# Altium PCB AVALON2_21b.PcbDoc (part 6 of 7)
Units mil, origin at the board's own origin, x right, y up, seen from the top; angles counter-clockwise.
Board outline 5250 x 3000 mil, 4 copper layers (Top Layer, Mid-Layer 1, Mid-Layer 2, Bottom Layer); 460 components, 80 nets, 2011 pads, 1492 vias.
Unrouted connection lines stored in the file: 78.
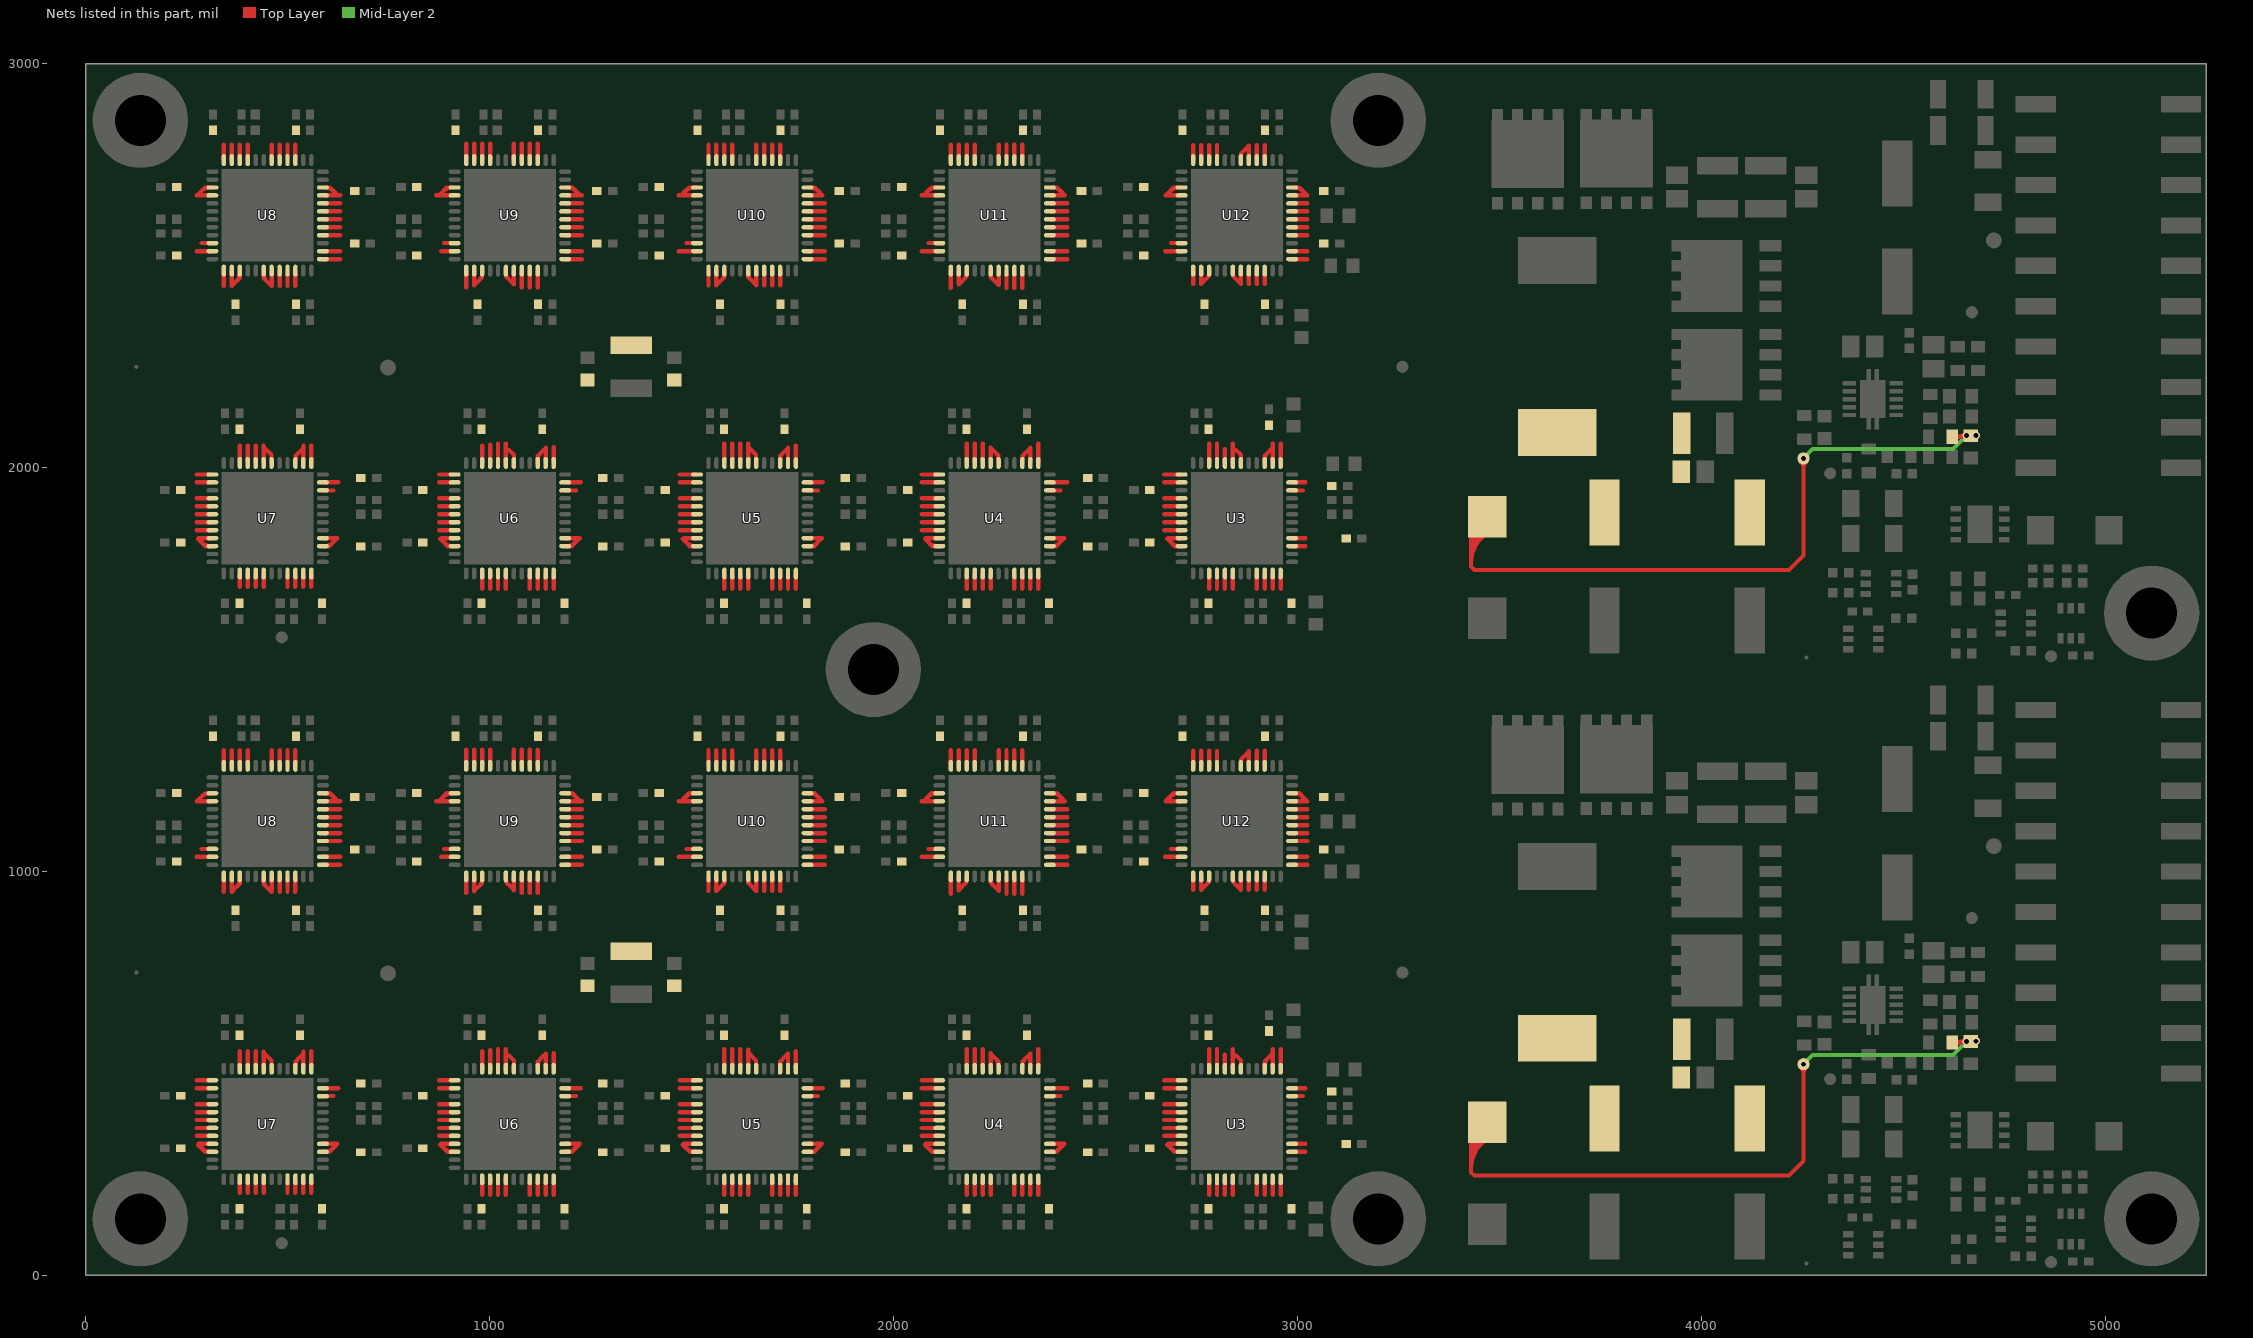
[diagram p8: the nets of this part, all layers, seen from the top]

## Via types
v1: diameter 32, hole 18, Top Layer to Bottom Layer, tented both sides, 846 vias
v2: diameter 20, hole 12, Top Layer to Bottom Layer, tented both sides, 458 vias
v3: diameter 20, hole 12, Top Layer to Bottom Layer, tented bottom, 154 vias
v4: diameter 50, hole 20, Top Layer to Bottom Layer, tented both sides, 16 vias
v5: diameter 23.62, hole 11.81, Top Layer to Bottom Layer, tented bottom, 10 vias
v6: diameter 25.98, hole 12.99, Top Layer to Bottom Layer, tented top, 4 vias
v7: diameter 20, hole 12, Top Layer to Bottom Layer, 4 vias

## Nets (pads, with @x,y where several pads share a name; then routed paths per layer and width w, separated by ;. In a path a pad name is that pad's centre, name@x,y a point inside that pad or via, vN(x,y) a via of type N, cw(c..) or ccw(c..) an arc to the next point about the centre after c; other vN are vias at no path point) (continued)
VCC1V2: 1P2V.1 C2.2 C3.2 C11.1 C12.1 C13.1 C14.2 C15.2 C19.2 C26.1 C27.2 C28.1 C29.2 C30.1 C31.2 C32.1 C33.2 C38.1 C39.2 C40.1 C41.2 C42.1 C43.2 C44.1 C45.2 C50.2 C51.2 C52.2 C53.2 C54.1 C55.1 C56.1 C57.1 C58.2 C59.2 C61.2 C62.2 C64.2 C65.2 C67.2 C68.2 C74.1 C75.2 C76.1 C77.2 C78.1 C79.2 C80.1 C81.2 C86.1 C87.2 C88.1 C89.2 C90.1 C91.2 C92.1 C93.2 C98.2 C99.2 C100.2 C101.2 C102.1 C103.1 C104.1 C105.1 C106.2 C107.2 C109.2 C110.2 C112.2 C113.2 C115.2 C116.2 C120.1 C121.2 C122.1 C123.2 C128.1 C129.2 C130.1 C131.2 C135.2 C136.2 C138.1 C139.1 C140.2 C141.2 C143.2 C144.2 C153.2 L1.2 R9.1 U3.3 U3.4 U3.10 U3.11 U3.13 U3.14 U3.15 U3.18 U3.19 U3.20 U3.21 U3.22 U3.25 U3.26 U3.28 U3.29 U3.30 U3.31 U3.32 U3.33 U3.34 U3.39 U3.40 U3.41 U3.42 U3.45 U3.46 U3.47 U3.48 U4.3 U4.4 U4.10 U4.11 U4.13 U4.14 U4.15 U4.18 U4.19 U4.20 U4.21 U4.22 U4.25 U4.26 U4.28 U4.29 U4.30 U4.31 U4.32 U4.33 U4.34 U4.39 U4.40 U4.41 U4.42 U4.45 U4.46 U4.47 U4.48 U5.3 U5.4 U5.10 U5.11 U5.13 U5.14 U5.15 U5.18 U5.19 U5.20 U5.21 U5.22 U5.25 U5.26 U5.28 U5.29 U5.30 U5.31 U5.32 U5.33 U5.34 U5.39 U5.40 U5.41 U5.42 U5.45 U5.46 U5.47 U5.48 U6.3 U6.4 U6.10 U6.11 U6.13 U6.14 U6.15 U6.18 U6.19 U6.20 U6.21 U6.22 U6.25 U6.26 U6.28 U6.29 U6.30 U6.31 U6.32 U6.33 U6.34 U6.39 U6.40 U6.41 U6.42 U6.45 U6.46 U6.47 U6.48 U7.3 U7.4 U7.10 U7.11 U7.13 U7.14 U7.15 U7.18 U7.19 U7.20 U7.21 U7.22 U7.25 U7.26 U7.28 U7.29 U7.30 U7.31 U7.32 U7.33 U7.34 U7.39 U7.40 U7.41 U7.42 U7.45 U7.46 U7.47 U7.48 U8.3 U8.4 U8.10 U8.11 U8.13 U8.14 U8.15 U8.18 U8.19 U8.20 U8.21 U8.22 U8.25 U8.26 U8.28 U8.29 U8.30 U8.31 U8.32 U8.33 U8.34 U8.39 U8.40 U8.41 U8.42 U8.45 U8.46 U8.47 U8.48 U9.3 U9.4 U9.10 U9.11 U9.13 U9.14 U9.15 U9.18 U9.19 U9.20 U9.21 U9.22 U9.25 U9.26 U9.28 U9.29 U9.30 U9.31 U9.32 U9.33 U9.34 U9.39 U9.40 U9.41 U9.42 U9.45 U9.46 U9.47 U9.48 U10.3 U10.4 U10.10 U10.11 U10.13 U10.14 U10.15 U10.18 U10.19 U10.20 U10.21 U10.22 U10.25 U10.26 U10.28 U10.29 U10.30 U10.31 U10.32 U10.33 U10.34 U10.39 U10.40 U10.41 U10.42 U10.45 U10.46 U10.47 U10.48 U11.3 U11.4 U11.10 U11.11 U11.13 U11.14 U11.15 U11.18 U11.19 U11.20 U11.21 U11.22 U11.25 U11.26 U11.28 U11.29 U11.30 U11.31 U11.32 U11.33 U11.34 U11.39 U11.40 U11.41 U11.42 U11.45 U11.46 U11.47 U11.48 U12.3 U12.4 U12.10 U12.11 U12.13 U12.14 U12.15 U12.18 U12.19 U12.20 U12.21 U12.22 U12.25 U12.26 U12.28 U12.29 U12.30 U12.31 U12.32 U12.33 U12.34 U12.39 U12.40 U12.41 U12.42 U12.45 U12.46 U12.47 U12.48 | length 27894.2
  Top Layer w10: 275,1174.21 294.69,1193.9 U8.3@313.19,1193.9 ; 275,2674.21 294.69,2693.9 U8.3@313.19,2693.9 ; 286.9,1056.1 U8.10@313.19,1056.1 ; 286.9,2556.1 U8.10@313.19,2556.1 ; 287.27,1186.48 cw(c303.94,1169.81) U8.3@303.94,1193.39 ; 287.27,2686.48 cw(c303.94,2669.81) U8.3@303.94,2693.39 ; 361.42,950 364.89,953.47 364.89,954.11 381.1,970.33 U8.15@381.1,988.19 ; 361.42,2450 364.89,2453.47 364.89,2454.11 381.1,2470.33 U8.15@381.1,2488.19 ; 374.14,963.36 ccw(c358.56,978.94) U8.15@380.59,978.94 ; 374.14,2463.36 ccw(c358.56,2478.94) U8.15@380.59,2478.94 ; 440.16,555 440.16,551.84 459.84,532.16 U7.18@459.84,511.81 ; U8.18@440.16,988.19 440.16,969.68 459.84,950 ; 440.16,2055 440.16,2051.84 459.84,2032.16 U7.18@459.84,2011.81 ; U8.18@440.16,2488.19 440.16,2469.68 459.84,2450 ; U8.18@440.67,978.94 ccw(c464.24,978.94) 447.57,962.27 ; U8.18@440.67,2478.94 ccw(c464.24,2478.94) 447.57,2462.27 ; U7.15@518.9,511.81 518.9,529.67 538.58,549.36 538.58,555 ; U7.15@518.9,2011.81 518.9,2029.67 538.58,2049.36 538.58,2055 ; U7.15@519.41,521.06 cw(c541.44,521.06) 525.86,536.64 ; U7.15@519.41,2021.06 cw(c541.44,2021.06) 525.86,2036.64 ; U7.10@586.81,443.9 613.1,443.9 ; U7.10@586.81,1943.9 613.1,1943.9 ; 886.9,1056.1 U9.10@913.19,1056.1 ; 886.9,2556.1 U9.10@913.19,2556.1 ; 961.42,951.42 981.1,971.1 U9.15@981.1,988.19 ; 961.42,2451.42 981.1,2471.1 U9.15@981.1,2488.19 ; 974.69,964.69 ccw(c960.44,978.94) U9.15@980.59,978.94 ; 974.69,2464.69 ccw(c960.44,2478.94) U9.15@980.59,2478.94 ; U9.18@1040.16,988.19 1040.16,973.68 1059.84,954 ; U9.18@1040.16,2488.19 1040.16,2473.68 1059.84,2454 ; U9.18@1040.67,978.94 ccw(c1054.58,978.94) 1044.74,969.1 ; U9.18@1040.67,2478.94 ccw(c1054.58,2478.94) 1044.74,2469.1 ; 1047.86,544.13 1059.84,532.16 U6.18@1059.84,511.81 ; 1047.86,2044.13 1059.84,2032.16 U6.18@1059.84,2011.81 ; U6.15@1118.9,511.81 1118.9,529.67 1133.36,544.13 ; U6.15@1118.9,2011.81 1118.9,2029.67 1133.36,2044.13 ; U6.15@1119.41,521.06 cw(c1141.44,521.06) 1125.86,536.64 ; U6.15@1119.41,2021.06 cw(c1141.44,2021.06) 1125.86,2036.64 ; U6.10@1186.81,443.9 1213.1,443.9 ; U6.10@1186.81,1943.9 1213.1,1943.9 ; 1486.9,1056.1 U10.10@1513.19,1056.1 ; 1486.9,2556.1 U10.10@1513.19,2556.1 ; 1561.42,952 1581.1,971.68 U10.15@1581.1,988.19 ; 1561.42,2452 1581.1,2471.68 U10.15@1581.1,2488.19 ; 1575.1,965.68 ccw(c1561.85,978.94) U10.15@1580.59,978.94 ; 1575.1,2465.68 ccw(c1561.85,2478.94) U10.15@1580.59,2478.94 ; 1640.16,560 1640.16,551.84 1659.84,532.16 U5.18@1659.84,511.81 ; U10.18@1640.16,988.19 1640.16,971.68 1659.84,952 ; 1640.16,2060 1640.16,2051.84 1659.84,2032.16 U5.18@1659.84,2011.81 ; U10.18@1640.16,2488.19 1640.16,2471.68 1659.84,2452 ; U10.18@1640.67,978.94 ccw(c1659.41,978.94) 1646.16,965.68 ; U10.18@1640.67,2478.94 ccw(c1659.41,2478.94) 1646.16,2465.68 ; U5.15@1718.9,511.81 1718.9,529.67 1738.58,549.36 1738.58,549.42 ; U5.15@1718.9,2011.81 1718.9,2029.67 1738.58,2049.36 1738.58,2049.42 ; U5.15@1719.41,521.06 cw(c1741.44,521.06) 1725.86,536.64 ; U5.15@1719.41,2021.06 cw(c1741.44,2021.06) 1725.86,2036.64 ; U5.10@1786.81,443.9 1813.1,443.9 ; U5.10@1786.81,1943.9 1813.1,1943.9 ; 2086.9,1056.1 U11.10@2113.19,1056.1 ; 2086.9,2556.1 U11.10@2113.19,2556.1 ; 2161.42,954 2181.1,973.68 U11.15@2181.1,988.19 ; 2161.42,2454 2181.1,2473.68 U11.15@2181.1,2488.19 ; 2176.51,969.1 ccw(c2166.68,978.94) U11.15@2180.59,978.94 ; 2176.51,2469.1 ccw(c2166.68,2478.94) U11.15@2180.59,2478.94 ; 2240.16,550 2259.84,530.32 U4.18@2259.84,511.81 ; U11.18@2240.16,988.19 2240.16,972.68 2259.84,953 ; 2240.16,2050 2259.84,2030.32 U4.18@2259.84,2011.81 ; U11.18@2240.16,2488.19 2240.16,2472.68 2259.84,2453 ; U11.18@2240.67,978.94 ccw(c2257,978.94) 2245.45,967.39 ; U11.18@2240.67,2478.94 ccw(c2257,2478.94) 2245.45,2467.39 ; 2252.43,537.73 cw(c2235.76,521.06) U4.18@2259.33,521.06 ; 2252.43,2037.73 cw(c2235.76,2021.06) U4.18@2259.33,2021.06 ; U4.15@2318.9,511.81 2318.9,529.67 2338.58,549.36 2338.58,549.42 ; U4.15@2318.9,2011.81 2318.9,2029.67 2338.58,2049.36 2338.58,2049.42 ; U4.15@2319.41,521.06 cw(c2341.44,521.06) 2325.86,536.64 ; U4.15@2319.41,2021.06 cw(c2341.44,2021.06) 2325.86,2036.64 ; U4.10@2386.81,443.9 2413.1,443.9 ; U4.10@2386.81,1943.9 2413.1,1943.9 ; 2686.9,1056.1 U12.10@2713.19,1056.1 ; 2686.9,2556.1 U12.10@2713.19,2556.1 ; 2761.42,955 2781.1,974.68 U12.15@2781.1,988.19 ; 2761.42,2455 2781.1,2474.68 U12.15@2781.1,2488.19 ; 2777.22,970.8 ccw(c2769.09,978.94) U12.15@2780.59,978.94 ; 2777.22,2470.8 ccw(c2769.09,2478.94) U12.15@2780.59,2478.94 ; U12.45@2800.79,1261.83 2800.79,1299 ; U12.45@2800.79,2761.83 2800.79,2799 ; U12.18@2840.16,988.19 2840.16,974.68 2859.84,955 ; U12.18@2840.16,2488.19 2840.16,2474.68 2859.84,2455 ; U12.18@2840.67,978.94 ccw(c2852.17,978.94) 2844.04,970.8 ; U12.18@2840.67,2478.94 ccw(c2852.17,2478.94) 2844.04,2470.8 ; 2847.86,544.13 2859.84,532.16 U3.18@2859.84,511.81 ; 2847.86,2044.13 2859.84,2032.16 U3.18@2859.84,2011.81 ; U12.42@2859.84,1261.83 2859.84,1277.79 2879.53,1297.47 ; U12.42@2859.84,2761.83 2859.84,2777.79 2879.53,2797.47 ; U12.42@2860.35,1271.08 cw(c2877.79,1271.08) 2865.46,1283.4 ; U12.42@2860.35,2771.08 cw(c2877.79,2771.08) 2865.46,2783.4 ; U3.15@2918.9,511.81 2918.9,529.67 2938.58,549.36 ; U3.15@2918.9,2011.81 2918.9,2029.67 2938.58,2049.36 ; U3.15@2919.41,521.06 cw(c2941.44,521.06) 2925.86,536.64 ; U3.15@2919.41,2021.06 cw(c2941.44,2021.06) 2925.86,2036.64 ; U3.10@2986.81,443.9 3013.1,443.9 ; U3.10@2986.81,1943.9 3013.1,1943.9 ; 3430,263.91 cw(c3519.46,263.91) C13.1@3483.1,345.65 ; 3430,279.3 cw(c3512.61,279.3) C13.1@3479.04,354.79 ; 3430,294.7 cw(c3505.77,294.7) C13.1@3474.98,363.92 ; 3430,310.09 cw(c3498.92,310.09) C13.1@3470.91,373.06 ; 3430,325.48 cw(c3492.07,325.48) C13.1@3466.85,382.2 ; C13.1@3430,339.05 3430,255 3438,247 4217,247 4253,283 v2(4253,523) 1P2V.1@4251,523 ; C13.1@3430,340.87 cw(c3485.23,340.87) C13.1@3462.78,391.33 ; 3430,1763.91 cw(c3519.46,1763.91) C13.1@3483.1,1845.65 ; 3430,1779.3 cw(c3512.61,1779.3) C13.1@3479.04,1854.79 ; 3430,1794.7 cw(c3505.77,1794.7) C13.1@3474.98,1863.92 ; 3430,1810.09 cw(c3498.92,1810.09) C13.1@3470.91,1873.06 ; 3430,1825.48 cw(c3492.07,1825.48) C13.1@3466.85,1882.2 ; C13.1@3430,1839.05 3430,1755 3438,1747 4217,1747 4253,1783 v2(4253,2023) 1P2V.1@4251,2023 ; C13.1@3430,1840.87 cw(c3485.23,1840.87) C13.1@3462.78,1891.33 ; 1P2V.1@4245.93,515.93 cw(c4228.86,498.86) 4253,498.86 cw(c4277.14,498.86) 1P2V.1@4260.07,515.93 ; 1P2V.1@4245.93,2015.93 cw(c4228.86,1998.86) 4253,1998.86 cw(c4277.14,1998.86) 1P2V.1@4260.07,2015.93 ; 1P2V.1@4249.46,519.46 cw(c4240.93,510.93) 4253,510.93 cw(c4265.07,510.93) 1P2V.1@4256.54,519.46 ; 1P2V.1@4249.46,2019.46 cw(c4240.93,2010.93) 4253,2010.93 cw(c4265.07,2010.93) 1P2V.1@4256.54,2019.46 ; R9.1@4621.46,576.93 C19.2@4664.37,576.93 ; R9.1@4621.46,2076.93 C19.2@4664.37,2076.93 ; R9.1@4627.66,570.72 cw(c4642.65,555.73) 4642.65,576.93 cw(c4642.65,598.12) R9.1@4627.66,583.14 ; R9.1@4627.66,2070.72 cw(c4642.65,2055.73) 4642.65,2076.93 cw(c4642.65,2098.12) R9.1@4627.66,2083.14 ; R9.1@4632.83,576.93 ccw(c4632.83,611.61) C19.2@4657.36,587.09 ; R9.1@4632.83,2076.93 ccw(c4632.83,2111.61) C19.2@4657.36,2087.09 ; 4638.68,576.93 ccw(c4638.68,597.74) C19.2@4653.39,583.02 ; 4638.68,2076.93 ccw(c4638.68,2097.74) C19.2@4653.39,2083.02 ; 4645.19,576.93 cw(c4645.19,559.72) C19.2@4657.36,571.89 ; 4645.19,2076.93 cw(c4645.19,2059.72) C19.2@4657.36,2071.89
  Top Layer w11: 275,345.47 U7.32@311.24,345.47 ; 275,365.16 U7.31@311.22,365.16 ; 275,384.84 U7.30@311.24,384.84 ; 275,404.53 U7.29@311.24,404.53 ; 275,424.21 U7.28@311.22,424.21 ; 275,463.58 U7.26@311.22,463.58 ; 275,483.27 U7.25@311.22,483.27 ; 275.02,1036.42 U8.11@311.24,1036.42 ; 275.02,1174.21 U8.4@311.24,1174.21 ; 275,1845.47 U7.32@311.24,1845.47 ; 275,1865.16 U7.31@311.22,1865.16 ; 275,1884.84 U7.30@311.24,1884.84 ; 275,1904.53 U7.29@311.24,1904.53 ; 275,1924.21 U7.28@311.22,1924.21 ; 275,1963.58 U7.26@311.22,1963.58 ; 275,1983.27 U7.25@311.22,1983.27 ; 275.02,2536.42 U8.11@311.24,2536.42 ; 275.02,2674.21 U8.4@311.24,2674.21 ; 278,323.82 295.72,306.1 U7.34@311.22,306.1 ; 278,1823.82 295.72,1806.1 U7.34@311.22,1806.1 ; 279.97,325.79 U7.33@311.22,325.79 ; 279.97,1825.79 U7.33@311.22,1825.79 ; 289.89,311.93 ccw(c303.94,325.99) U7.34@303.94,306.11 ; 289.89,1811.93 ccw(c303.94,1825.99) U7.34@303.94,1806.11 ; 341.73,950 U8.13@341.73,986.22 ; U8.48@341.73,1263.78 341.73,1300 ; 341.73,2450 U8.13@341.73,2486.22 ; U8.48@341.73,2763.78 341.73,2800 ; 361.42,950 U8.14@361.42,986.22 ; U8.47@361.42,1263.78 361.42,1300 ; 361.42,2450 U8.14@361.42,2486.22 ; U8.47@361.42,2763.78 361.42,2800 ; 381.1,205 U7.39@381.1,236.22 ; U7.22@381.1,513.78 381.1,555 ; U8.46@381.1,1263.78 381.1,1300 ; 381.1,1705 U7.39@381.1,1736.22 ; U7.22@381.1,2013.78 381.1,2055 ; U8.46@381.1,2763.78 381.1,2800 ; 400.79,205 U7.40@400.79,236.22 ; U7.21@400.79,513.78 400.79,555 ; U8.45@400.79,1263.8 400.79,1300 ; 400.79,1705 U7.40@400.79,1736.22 ; U7.21@400.79,2013.78 400.79,2055 ; U8.45@400.79,2763.8 400.79,2800 ; 420.47,205 U7.41@420.47,236.22 ; U7.20@420.47,513.76 420.47,555 ; 420.47,1705 U7.41@420.47,1736.22 ; U7.20@420.47,2013.76 420.47,2055 ; 440.16,205 U7.42@440.16,236.22 ; U7.19@440.16,513.76 440.16,551.84 ; 440.16,1705 U7.42@440.16,1736.22 ; U7.19@440.16,2013.76 440.16,2051.84 ; 459.84,950 U8.19@459.84,986.24 ; U8.42@459.84,1263.8 459.84,1300 ; 459.84,2450 U8.19@459.84,2486.24 ; U8.42@459.84,2763.8 459.84,2800 ; 479.53,950 U8.20@479.53,986.24 ; U8.41@479.53,1263.78 479.53,1300 ; 479.53,2450 U8.20@479.53,2486.24 ; U8.41@479.53,2763.78 479.53,2800 ; 499.21,205 U7.45@499.21,236.22 ; 499.21,950 U8.21@499.21,986.22 ; U8.40@499.21,1263.78 499.21,1300 ; 499.21,1705 U7.45@499.21,1736.22 ; 499.21,2450 U8.21@499.21,2486.22 ; U8.40@499.21,2763.78 499.21,2800 ; 518.9,205 U7.46@518.9,236.22 ; 518.9,950 U8.22@518.9,986.22 ; U8.39@518.9,1263.78 518.9,1300 ; 518.9,1705 U7.46@518.9,1736.22 ; 518.9,2450 U8.22@518.9,2486.22 ; U8.39@518.9,2763.78 518.9,2800 ; 538.58,205 U7.47@538.58,236.22 ; U7.14@538.58,513.78 538.58,549.36 ; 538.58,1705 U7.47@538.58,1736.22 ; U7.14@538.58,2013.78 538.58,2049.36 ; 558.27,205 U7.48@558.27,236.22 ; U7.13@558.27,513.78 558.27,555 ; 558.27,1705 U7.48@558.27,1736.22 ; U7.13@558.27,2013.78 558.27,2055 ; U7.11@588.76,463.58 624.98,463.58 ; U7.11@588.76,1963.58 624.98,1963.58 ; U7.3@588.78,306.1 603.1,306.1 622.79,325.79 U7.4@588.78,325.79 ; U8.25@588.78,1016.73 630,1016.73 ; U8.26@588.78,1036.42 630,1036.42 ; U8.28@588.78,1075.79 630,1075.79 ; U8.29@588.78,1095.47 630,1095.47 ; U8.30@588.78,1115.16 630,1115.16 ; U8.31@588.78,1134.84 630,1134.84 ; U8.32@588.78,1154.53 630,1154.53 ; U8.33@588.78,1174.21 630,1174.21 ; U8.34@588.78,1193.9 604.28,1193.9 618.78,1179.4 ; U7.3@588.78,1806.1 603.1,1806.1 622.79,1825.79 U7.4@588.78,1825.79 ; U8.25@588.78,2516.73 630,2516.73 ; U8.26@588.78,2536.42 630,2536.42 ; U8.28@588.78,2575.79 630,2575.79 ; U8.29@588.78,2595.47 630,2595.47 ; U8.30@588.78,2615.16 630,2615.16 ; U8.31@588.78,2634.84 630,2634.84 ; U8.32@588.78,2654.53 630,2654.53 ; U8.33@588.78,2674.21 630,2674.21 ; U8.34@588.78,2693.9 604.28,2693.9 618.78,2679.4 ; U7.3@596.06,306.11 ccw(c596.06,323.14) 608.1,311.1 ; U8.34@596.06,1193.89 cw(c596.06,1174.01) 610.11,1188.07 ; U7.3@596.06,1806.11 ccw(c596.06,1823.14) 608.1,1811.1 ; U8.34@596.06,2693.89 cw(c596.06,2674.01) 610.11,2688.07 ; 867.21,1174.21 U9.4@911.22,1174.21 ; 867.21,2674.21 U9.4@911.22,2674.21 ; 874.18,1174.21 893.87,1193.9 U9.3@911.22,1193.9 ; 874.18,2674.21 893.87,2693.9 U9.3@911.22,2693.9 ; 875,345.47 U6.32@911.24,345.47 ; 875,365.16 U6.31@911.22,365.16 ; 875,384.84 U6.30@911.24,384.84 ; 875,404.53 U6.29@911.24,404.53 ; 875,424.21 U6.28@911.22,424.21 ; 875,463.58 U6.26@911.22,463.58 ; 875,483.27 U6.25@911.22,483.27 ; 875,1845.47 U6.32@911.24,1845.47 ; 875,1865.16 U6.31@911.22,1865.16 ; 875,1884.84 U6.30@911.24,1884.84 ; 875,1904.53 U6.29@911.24,1904.53 ; 875,1924.21 U6.28@911.22,1924.21 ; 875,1963.58 U6.26@911.22,1963.58 ; 875,1983.27 U6.25@911.22,1983.27 ; 878,323.82 895.72,306.1 U6.34@911.22,306.1 ; 878,1823.82 895.72,1806.1 U6.34@911.22,1806.1 ; 879.42,1036.42 U9.11@911.22,1036.42 ; 879.42,2536.42 U9.11@911.22,2536.42 ; 879.97,325.79 U6.33@911.22,325.79 ; 879.97,1825.79 U6.33@911.22,1825.79 ; 886.73,1186.76 cw(c903.94,1169.55) U9.3@903.94,1193.89 ; 886.73,2686.76 cw(c903.94,2669.55) U9.3@903.94,2693.89 ; 889.89,311.93 ccw(c903.94,325.99) U6.34@903.94,306.11 ; 889.89,1811.93 ccw(c903.94,1825.99) U6.34@903.94,1806.11 ; 941.73,947 U9.13@941.73,986.22 ; U9.48@941.73,1263.78 941.73,1302 ; 941.73,2447 U9.13@941.73,2486.22 ; U9.48@941.73,2763.78 941.73,2802 ; 961.42,951.42 U9.14@961.42,986.22 ; U9.47@961.42,1263.78 961.42,1302 ; 961.42,2451.42 U9.14@961.42,2486.22 ; U9.47@961.42,2763.78 961.42,2802 ; 981.1,200 U6.39@981.1,236.22 ; U6.22@981.1,513.78 981.1,554.9 ; U9.46@981.1,1263.78 981.1,1302 ; 981.1,1700 U6.39@981.1,1736.22 ; U6.22@981.1,2013.78 981.1,2054.9 ; U9.46@981.1,2763.78 981.1,2802 ; 1000.79,200 U6.40@1000.79,236.22 ; U6.21@1000.79,513.78 1000.79,557.21 ; U9.45@1000.79,1263.8 1000.79,1302 ; 1000.79,1700 U6.40@1000.79,1736.22 ; U6.21@1000.79,2013.78 1000.79,2057.21 ; U9.45@1000.79,2763.8 1000.79,2802 ; 1020.47,200 U6.41@1020.47,236.22 ; U6.20@1020.47,513.78 1020.47,560 ; 1020.47,1700 U6.41@1020.47,1736.22 ; U6.20@1020.47,2013.78 1020.47,2060 ; 1040.16,200 U6.42@1040.16,236.22 ; U6.19@1040.16,513.78 1040.16,560 ; 1040.16,1700 U6.42@1040.16,1736.22 ; U6.19@1040.16,2013.78 1040.16,2060 ; 1059.84,954 U9.19@1059.84,986.22 ; U9.42@1059.84,1263.8 1059.84,1302 ; 1059.84,2454 U9.19@1059.84,2486.22 ; U9.42@1059.84,2763.8 1059.84,2802 ; 1079.53,947 U9.20@1079.53,986.22 ; U9.41@1079.53,1263.78 1079.53,1302 ; 1079.53,2447 U9.20@1079.53,2486.22 ; U9.41@1079.53,2763.78 1079.53,2802 ; 1099.21,200 U6.45@1099.21,236.22 ; 1099.21,947 U9.21@1099.21,986.22 ; U9.40@1099.21,1263.78 1099.21,1302 ; 1099.21,1700 U6.45@1099.21,1736.22 ; 1099.21,2447 U9.21@1099.21,2486.22 ; U9.40@1099.21,2763.78 1099.21,2802 ; 1118.9,200 U6.46@1118.9,236.22 ; 1118.9,947 U9.22@1118.9,986.22 ; U9.39@1118.9,1263.78 1118.9,1302 ; 1118.9,1700 U6.46@1118.9,1736.22 ; 1118.9,2447 U9.22@1118.9,2486.22 ; U9.39@1118.9,2763.78 1118.9,2802 ; 1138.58,200 U6.47@1138.58,236.22 ; U6.14@1138.58,513.78 1138.58,549.42 ; 1138.58,1700 U6.47@1138.58,1736.22 ; U6.14@1138.58,2013.78 1138.58,2049.42 ; 1158.27,200 U6.48@1158.27,236.22 ; U6.13@1158.27,513.78 1158.27,550.73 ; 1158.27,1700 U6.48@1158.27,1736.22 ; U6.13@1158.27,2013.78 1158.27,2050.73 ; U6.11@1188.76,463.58 1224.98,463.58 ; U6.11@1188.76,1963.58 1224.98,1963.58 ; U6.3@1188.78,306.1 1203.1,306.1 1222.79,325.79 U6.4@1188.78,325.79 ; U9.25@1188.78,1016.73 1228,1016.73 ; U9.26@1188.78,1036.42 1228,1036.42 ; U9.28@1188.78,1075.79 1228,1075.79 ; U9.29@1188.78,1095.47 1228,1095.47 ; U9.30@1188.78,1115.16 1228,1115.16 ; U9.31@1188.78,1134.84 1228,1134.84 ; U9.32@1188.78,1154.53 1228,1154.53 ; U9.33@1188.78,1174.21 1228,1174.21 ; U9.34@1188.78,1193.9 1204.28,1193.9 1218.78,1179.4 ; U6.3@1188.78,1806.1 1203.1,1806.1 1222.79,1825.79 U6.4@1188.78,1825.79 ; U9.25@1188.78,2516.73 1228,2516.73 ; U9.26@1188.78,2536.42 1228,2536.42 ; U9.28@1188.78,2575.79 1228,2575.79 ; U9.29@1188.78,2595.47 1228,2595.47 ; U9.30@1188.78,2615.16 1228,2615.16 ; U9.31@1188.78,2634.84 1228,2634.84 ; U9.32@1188.78,2654.53 1228,2654.53 ; U9.33@1188.78,2674.21 1228,2674.21 ; U9.34@1188.78,2693.9 1204.28,2693.9 1218.78,2679.4 ; U6.3@1196.06,306.11 ccw(c1196.06,323.14) 1208.1,311.1 ; U9.34@1196.06,1193.89 cw(c1196.06,1174.01) 1210.11,1188.07 ; U6.3@1196.06,1806.11 ccw(c1196.06,1823.14) 1208.1,1811.1 ; U9.34@1196.06,2693.89 cw(c1196.06,2674.01) 1210.11,2688.07 ; 1468,1036.42 U10.11@1511.22,1036.42 ; 1468,1174.21 U10.4@1511.22,1174.21 ; 1468,2536.42 U10.11@1511.22,2536.42 ; 1468,2674.21 U10.4@1511.22,2674.21 ; 1470,345.47 U5.32@1511.24,345.47 ; 1470,365.16 U5.31@1511.22,365.16 ; 1470,384.84 U5.30@1511.24,384.84 ; 1470,404.53 U5.29@1511.24,404.53 ; 1470,424.21 U5.28@1511.22,424.21 ; 1470,463.58 U5.26@1511.22,463.58 ; 1470,483.27 U5.25@1511.22,483.27 ; 1470,1845.47 U5.32@1511.24,1845.47 ; 1470,1865.16 U5.31@1511.22,1865.16 ; 1470,1884.84 U5.30@1511.24,1884.84 ; 1470,1904.53 U5.29@1511.24,1904.53 ; 1470,1924.21 U5.28@1511.22,1924.21 ; 1470,1963.58 U5.26@1511.22,1963.58 ; 1470,1983.27 U5.25@1511.22,1983.27 ; 1478,323.82 1495.72,306.1 U5.34@1511.22,306.1 ; 1478,1823.82 1495.72,1806.1 U5.34@1511.22,1806.1 ; 1479.32,1179.35 1493.87,1193.9 U10.3@1511.22,1193.9 ; 1479.32,2679.35 1493.87,2693.9 U10.3@1511.22,2693.9 ; 1479.97,325.79 U5.33@1511.22,325.79 ; 1479.97,1825.79 U5.33@1511.22,1825.79 ; 1486.73,1186.76 cw(c1503.94,1169.55) U10.3@1503.94,1193.89 ; 1486.73,2686.76 cw(c1503.94,2669.55) U10.3@1503.94,2693.89 ; 1489.89,311.93 ccw(c1503.94,325.99) U5.34@1503.94,306.11 ; 1489.89,1811.93 ccw(c1503.94,1825.99) U5.34@1503.94,1806.11 ; 1541.73,952 U10.13@1541.73,986.22 ; U10.48@1541.73,1263.78 1541.73,1300 ; 1541.73,2452 U10.13@1541.73,2486.22 ; U10.48@1541.73,2763.78 1541.73,2800 ; 1561.42,952 U10.14@1561.42,986.22 ; U10.47@1561.42,1263.78 1561.42,1300 ; 1561.42,2452 U10.14@1561.42,2486.22 ; U10.47@1561.42,2763.78 1561.42,2800 ; 1581.1,200 U5.39@1581.1,236.22 ; U5.22@1581.1,513.78 1581.1,560 ; U10.46@1581.1,1263.78 1581.1,1300 ; 1581.1,1700 U5.39@1581.1,1736.22 ; U5.22@1581.1,2013.78 1581.1,2060 ; U10.46@1581.1,2763.78 1581.1,2800 ; 1600.79,200 U5.40@1600.79,236.22 ; U5.21@1600.79,513.78 1600.79,560 ; U10.45@1600.79,1263.8 1600.79,1300 ; 1600.79,1700 U5.40@1600.79,1736.22 ; U5.21@1600.79,2013.78 1600.79,2060 ; U10.45@1600.79,2763.8 1600.79,2800 ; 1620.47,200 U5.41@1620.47,236.22 ; U5.20@1620.47,513.76 1620.47,560 ; 1620.47,1700 U5.41@1620.47,1736.22 ; U5.20@1620.47,2013.76 1620.47,2060 ; 1640.16,200 U5.42@1640.16,236.22 ; U5.19@1640.16,513.76 1640.16,551.84 ; 1640.16,1700 U5.42@1640.16,1736.22 ; U5.19@1640.16,2013.76 1640.16,2051.84 ; 1659.84,952 U10.19@1659.84,986.22 ; U10.42@1659.84,1263.8 1659.84,1300 ; 1659.84,2452 U10.19@1659.84,2486.22 ; U10.42@1659.84,2763.8 1659.84,2800 ; 1679.53,952 U10.20@1679.53,986.22 ; U10.41@1679.53,1263.78 1679.53,1300 ; 1679.53,2452 U10.20@1679.53,2486.22 ; U10.41@1679.53,2763.78 1679.53,2800 ; 1699.21,200 U5.45@1699.21,236.22 ; 1699.21,952 U10.21@1699.21,986.22 ; U10.40@1699.21,1263.78 1699.21,1300 ; 1699.21,1700 U5.45@1699.21,1736.22 ; 1699.21,2452 U10.21@1699.21,2486.22 ; U10.40@1699.21,2763.78 1699.21,2800 ; 1718.9,200 U5.46@1718.9,236.22 ; 1718.9,952 U10.22@1718.9,986.22 ; U10.39@1718.9,1263.78 1718.9,1300 ; 1718.9,1700 U5.46@1718.9,1736.22 ; 1718.9,2452 U10.22@1718.9,2486.22 ; U10.39@1718.9,2763.78 1718.9,2800 ; 1738.58,200 U5.47@1738.58,236.22 ; U5.14@1738.58,513.78 1738.58,549.36 ; 1738.58,1700 U5.47@1738.58,1736.22 ; U5.14@1738.58,2013.78 1738.58,2049.36 ; 1758.27,200 U5.48@1758.27,236.22 ; U5.13@1758.27,513.78 1758.27,555 ; 1758.27,1700 U5.48@1758.27,1736.22 ; U5.13@1758.27,2013.78 1758.27,2055 ; U5.11@1788.76,463.58 1824.98,463.58 ; U5.11@1788.76,1963.58 1824.98,1963.58 ; U5.3@1788.78,306.1 1803.1,306.1 1822.79,325.79 U5.4@1788.78,325.79 ; U10.25@1788.78,1016.73 1830,1016.73 ; U10.26@1788.78,1036.42 1830,1036.42 ; U10.28@1788.78,1075.79 1830,1075.79 ; U10.29@1788.78,1095.47 1830,1095.47 ; U10.30@1788.78,1115.16 1830,1115.16 ; U10.31@1788.78,1134.84 1830,1134.84 ; U10.32@1788.78,1154.53 1830,1154.53 ; U10.33@1788.78,1174.21 1823.79,1174.21 ; U10.34@1788.78,1193.9 1804.28,1193.9 1818.78,1179.4 ; U5.3@1788.78,1806.1 1803.1,1806.1 1822.79,1825.79 U5.4@1788.78,1825.79 ; U10.25@1788.78,2516.73 1830,2516.73 ; U10.26@1788.78,2536.42 1830,2536.42 ; U10.28@1788.78,2575.79 1830,2575.79 ; U10.29@1788.78,2595.47 1830,2595.47 ; U10.30@1788.78,2615.16 1830,2615.16 ; U10.31@1788.78,2634.84 1830,2634.84 ; U10.32@1788.78,2654.53 1830,2654.53 ; U10.33@1788.78,2674.21 1823.79,2674.21 ; U10.34@1788.78,2693.9 1804.28,2693.9 1818.78,2679.4 ; U5.3@1796.06,306.11 ccw(c1796.06,323.14) 1808.1,311.1 ; U10.34@1796.06,1193.89 cw(c1796.06,1174.01) 1810.11,1188.07 ; U5.3@1796.06,1806.11 ccw(c1796.06,1823.14) 1808.1,1811.1 ; U10.34@1796.06,2693.89 cw(c1796.06,2674.01) 1810.11,2688.07 ; 2070,345.47 U4.32@2111.22,345.47 ; 2070,365.16 U4.31@2111.22,365.16 ; 2070,384.84 U4.30@2111.22,384.84 ; 2070,404.53 U4.29@2111.22,404.53 ; 2070,424.21 U4.28@2111.22,424.21 ; 2070,463.58 U4.26@2111.22,463.58 ; 2070,483.27 U4.25@2111.22,483.27 ; 2070,1036.42 U11.11@2111.22,1036.42 ; 2070,1174.21 U11.4@2111.22,1174.21 ; 2070,1845.47 U4.32@2111.22,1845.47 ; 2070,1865.16 U4.31@2111.22,1865.16 ; 2070,1884.84 U4.30@2111.22,1884.84 ; 2070,1904.53 U4.29@2111.22,1904.53 ; 2070,1924.21 U4.28@2111.22,1924.21 ; 2070,1963.58 U4.26@2111.22,1963.58 ; 2070,1983.27 U4.25@2111.22,1983.27 ; 2070,2536.42 U11.11@2111.22,2536.42 ; 2070,2674.21 U11.4@2111.22,2674.21 ; 2078,323.82 2095.72,306.1 U4.34@2111.22,306.1 ; 2078,1823.82 2095.72,1806.1 U4.34@2111.22,1806.1 ; 2079.32,1179.35 2093.87,1193.9 U11.3@2111.22,1193.9 ; 2079.32,2679.35 2093.87,2693.9 U11.3@2111.22,2693.9 ; 2079.97,325.79 U4.33@2111.22,325.79 ; 2079.97,1825.79 U4.33@2111.22,1825.79 ; 2086.73,1186.76 cw(c2103.94,1169.55) U11.3@2103.94,1193.89 ; 2086.73,2686.76 cw(c2103.94,2669.55) U11.3@2103.94,2693.89 ; 2089.89,311.93 ccw(c2103.94,325.99) U4.34@2103.94,306.11 ; 2089.89,1811.93 ccw(c2103.94,1825.99) U4.34@2103.94,1806.11 ; 2141.73,945 U11.13@2141.73,986.22 ; U11.48@2141.73,1263.78 2141.73,1300 ; 2141.73,2445 U11.13@2141.73,2486.22 ; U11.48@2141.73,2763.78 2141.73,2800 ; 2161.42,954 U11.14@2161.42,986.22 ; U11.47@2161.42,1263.78 2161.42,1300 ; 2161.42,2454 U11.14@2161.42,2486.22 ; U11.47@2161.42,2763.78 2161.42,2800 ; 2181.1,200 U4.39@2181.1,236.22 ; U4.22@2181.1,513.78 2181.1,560 ; U11.46@2181.1,1263.78 2181.1,1300 ; 2181.1,1700 U4.39@2181.1,1736.22 ; U4.22@2181.1,2013.78 2181.1,2060 ; U11.46@2181.1,2763.78 2181.1,2800 ; 2200.79,200 U4.40@2200.79,236.22 ; U4.21@2200.79,513.78 2200.79,560 ; U11.45@2200.79,1263.8 2200.79,1300 ; 2200.79,1700 U4.40@2200.79,1736.22 ; U4.21@2200.79,2013.78 2200.79,2060 ; U11.45@2200.79,2763.8 2200.79,2800 ; 2220.47,200 U4.41@2220.47,236.22 ; U4.20@2220.47,513.78 2220.47,560 ; 2220.47,1700 U4.41@2220.47,1736.22 ; U4.20@2220.47,2013.78 2220.47,2060 ; 2240.16,200 U4.42@2240.16,236.2 ; U4.19@2240.16,513.78 2240.16,550 ; 2240.16,1700 U4.42@2240.16,1736.2 ; U4.19@2240.16,2013.78 2240.16,2050 ; 2259.84,953 U11.19@2259.84,986.22 ; U11.42@2259.84,1263.8 2259.84,1300 ; 2259.84,2453 U11.19@2259.84,2486.22 ; U11.42@2259.84,2763.8 2259.84,2800 ; 2279.53,945 U11.20@2279.53,986.22 ; U11.41@2279.53,1263.78 2279.53,1300 ; 2279.53,2445 U11.20@2279.53,2486.22 ; U11.41@2279.53,2763.78 2279.53,2800 ; 2299.21,200 U4.45@2299.21,236.2 ; 2299.21,945 U11.21@2299.21,986.22 ; U11.40@2299.21,1263.78 2299.21,1300 ; 2299.21,1700 U4.45@2299.21,1736.2 ; 2299.21,2445 U11.21@2299.21,2486.22 ; U11.40@2299.21,2763.78 2299.21,2800 ; 2318.9,200 U4.46@2318.9,236.22 ; 2318.9,945 U11.22@2318.9,986.22 ; U11.39@2318.9,1263.78 2318.9,1300 ; 2318.9,1700 U4.46@2318.9,1736.22 ; 2318.9,2445 U11.22@2318.9,2486.22 ; U11.39@2318.9,2763.78 2318.9,2800 ; 2338.58,200 U4.47@2338.58,236.22 ; U4.14@2338.58,513.78 2338.58,549.36 ; 2338.58,1700 U4.47@2338.58,1736.22 ; U4.14@2338.58,2013.78 2338.58,2049.36 ; 2358.27,200 U4.48@2358.27,236.22 ; U4.13@2358.27,513.78 2358.27,560 ; 2358.27,1700 U4.48@2358.27,1736.22 ; U4.13@2358.27,2013.78 2358.27,2060 ; U4.3@2388.78,306.1 2403.1,306.1 2422.79,325.79 U4.4@2388.78,325.79 ; U4.11@2388.78,463.58 2430,463.58 ; U11.25@2388.78,1016.73 2430,1016.73 ; U11.26@2388.78,1036.42 2430,1036.42 ; U11.28@2388.78,1075.79 2430,1075.79 ; U11.29@2388.78,1095.47 2430,1095.47 ; U11.30@2388.78,1115.16 2430,1115.16 ; U11.31@2388.78,1134.84 2430,1134.84 ; U11.32@2388.78,1154.53 2430,1154.53 ; U11.33@2388.78,1174.21 2423.79,1174.21 ; U11.34@2388.78,1193.9 2404.28,1193.9 2418.78,1179.4 ; U4.3@2388.78,1806.1 2403.1,1806.1 2422.79,1825.79 U4.4@2388.78,1825.79 ; U4.11@2388.78,1963.58 2430,1963.58 ; U11.25@2388.78,2516.73 2430,2516.73 ; U11.26@2388.78,2536.42 2430,2536.42 ; U11.28@2388.78,2575.79 2430,2575.79 ; U11.29@2388.78,2595.47 2430,2595.47 ; U11.30@2388.78,2615.16 2430,2615.16 ; U11.31@2388.78,2634.84 2430,2634.84 ; U11.32@2388.78,2654.53 2430,2654.53 ; U11.33@2388.78,2674.21 2423.79,2674.21 ; U11.34@2388.78,2693.9 2404.28,2693.9 2418.78,2679.4 ; U4.3@2396.06,306.11 ccw(c2396.06,323.14) 2408.1,311.1 ; U11.34@2396.06,1193.89 cw(c2396.06,1174.01) 2410.11,1188.07 ; U4.3@2396.06,1806.11 ccw(c2396.06,1823.14) 2408.1,1811.1 ; U11.34@2396.06,2693.89 cw(c2396.06,2674.01) 2410.11,2688.07 ; 2670,345.47 U3.32@2711.24,345.47 ; 2670,365.16 U3.31@2711.22,365.16 ; 2670,384.84 U3.30@2711.24,384.84 ; 2670,404.53 U3.29@2711.24,404.53 ; 2670,424.21 U3.28@2711.22,424.21 ; 2670,463.58 U3.26@2711.22,463.58 ; 2670,483.27 U3.25@2711.22,483.27 ; 2670,1845.47 U3.32@2711.24,1845.47 ; 2670,1865.16 U3.31@2711.22,1865.16 ; 2670,1884.84 U3.30@2711.24,1884.84 ; 2670,1904.53 U3.29@2711.24,1904.53 ; 2670,1924.21 U3.28@2711.22,1924.21 ; 2670,1963.58 U3.26@2711.22,1963.58 ; 2670,1983.27 U3.25@2711.22,1983.27 ; 2672,1036.42 U12.11@2711.22,1036.42 ; 2672,2536.42 U12.11@2711.22,2536.42 ; 2678,323.82 2695.72,306.1 U3.34@2711.22,306.1 ; 2678,1823.82 2695.72,1806.1 U3.34@2711.22,1806.1 ; 2679.97,325.79 U3.33@2711.22,325.79 ; 2679.97,1825.79 U3.33@2711.22,1825.79 ; 2686.78,1186.78 cw(c2703.94,1169.62) U12.3@2703.94,1193.89 ; 2686.78,2686.78 cw(c2703.94,2669.62) U12.3@2703.94,2693.89 ; 2689.89,311.93 ccw(c2703.94,325.99) U3.34@2703.94,306.11 ; 2689.89,1811.93 ccw(c2703.94,1825.99) U3.34@2703.94,1806.11 ; U12.4@2711.22,1174.21 2674.21,1174.21 2693.9,1193.9 U12.3@2711.22,1193.9 ; U12.4@2711.22,2674.21 2674.21,2674.21 2693.9,2693.9 U12.3@2711.22,2693.9 ; 2741.73,955 U12.13@2741.73,986.22 ; U12.48@2741.73,1263.78 2741.73,1299 ; 2741.73,2455 U12.13@2741.73,2486.22 ; U12.48@2741.73,2763.78 2741.73,2799 ; 2761.42,955 U12.14@2761.42,986.22 ; U12.47@2761.42,1263.78 2761.42,1299 ; 2761.42,2455 U12.14@2761.42,2486.22 ; U12.47@2761.42,2763.78 2761.42,2799 ; 2781.1,200 U3.39@2781.1,236.22 ; U3.22@2781.1,513.78 2781.1,560 ; U12.46@2781.1,1263.78 2781.1,1299 ; 2781.1,1700 U3.39@2781.1,1736.22 ; U3.22@2781.1,2013.78 2781.1,2060 ; U12.46@2781.1,2763.78 2781.1,2799 ; 2800.79,200 U3.40@2800.79,236.22 ; U3.21@2800.79,513.78 2800.79,560 ; 2800.79,1700 U3.40@2800.79,1736.22 ; U3.21@2800.79,2013.78 2800.79,2060 ; 2820.47,200 U3.41@2820.47,236.22 ; U3.20@2820.47,513.76 2820.47,546.07 ; 2820.47,1700 U3.41@2820.47,1736.22 ; U3.20@2820.47,2013.76 2820.47,2046.07 ; 2840.16,200 U3.42@2840.16,236.22 ; U3.19@2840.16,513.78 2840.16,560 ; 2840.16,1700 U3.42@2840.16,1736.22 ; U3.19@2840.16,2013.78 2840.16,2060 ; 2859.84,955 U12.19@2859.84,986.22 ; 2859.84,2455 U12.19@2859.84,2486.22 ; 2879.53,955 U12.20@2879.53,986.22 ; U12.41@2879.53,1263.78 2879.53,1297.47 ; 2879.53,2455 U12.20@2879.53,2486.22 ; U12.41@2879.53,2763.78 2879.53,2797.47 ; 2899.21,200 U3.45@2899.21,236.22 ; 2899.21,955 U12.21@2899.21,986.22 ; U12.40@2899.21,1263.78 2899.21,1299 ; 2899.21,1700 U3.45@2899.21,1736.22 ; 2899.21,2455 U12.21@2899.21,2486.22 ; U12.40@2899.21,2763.78 2899.21,2799 ; 2918.9,200 U3.46@2918.9,236.22 ; 2918.9,955 U12.22@2918.9,986.22 ; U12.39@2918.9,1263.78 2918.9,1299 ; 2918.9,1700 U3.46@2918.9,1736.22 ; 2918.9,2455 U12.22@2918.9,2486.22 ; U12.39@2918.9,2763.78 2918.9,2799 ; 2938.58,200 U3.47@2938.58,236.22 ; U3.14@2938.58,513.78 2938.58,549.36 2938.58,560 ; 2938.58,1700 U3.47@2938.58,1736.22 ; U3.14@2938.58,2013.78 2938.58,2049.36 2938.58,2060 ; 2958.27,200 U3.48@2958.27,236.22 ; U3.13@2958.27,513.78 2958.27,560 ; 2958.27,1700 U3.48@2958.27,1736.22 ; U3.13@2958.27,2013.78 2958.27,2060 ; U3.3@2988.78,306.1 3020,306.1 ; U3.4@2988.78,325.79 3020,325.79 ; U3.11@2988.78,463.58 3020,463.58 ; U12.25@2988.78,1016.73 3024,1016.73 ; U12.26@2988.78,1036.42 3024,1036.42 ; U12.28@2988.78,1075.79 3024,1075.79 ; U12.29@2988.78,1095.47 3024,1095.47 ; U12.30@2988.78,1115.16 3024,1115.16 ; U12.31@2988.78,1134.84 3024,1134.84 ; U12.32@2988.78,1154.53 3024,1154.53 ; U12.33@2988.78,1174.21 3024,1174.21 ; U12.34@2988.78,1193.9 3004.28,1193.9 3018.78,1179.4 ; U3.3@2988.78,1806.1 3020,1806.1 ; U3.4@2988.78,1825.79 3020,1825.79 ; U3.11@2988.78,1963.58 3020,1963.58 ; U12.25@2988.78,2516.73 3024,2516.73 ; U12.26@2988.78,2536.42 3024,2536.42 ; U12.28@2988.78,2575.79 3024,2575.79 ; U12.29@2988.78,2595.47 3024,2595.47 ; U12.30@2988.78,2615.16 3024,2615.16 ; U12.31@2988.78,2634.84 3024,2634.84 ; U12.32@2988.78,2654.53 3024,2654.53 ; U12.33@2988.78,2674.21 3024,2674.21 ; U12.34@2988.78,2693.9 3004.28,2693.9 3018.78,2679.4 ; U12.34@2996.06,1193.89 cw(c2996.06,1174.01) 3010.11,1188.07 ; U12.34@2996.06,2693.89 cw(c2996.06,2674.01) 3010.11,2688.07
  Mid-Layer 2 w10: v2@4251,523 v2(4253,523) 4275.93,545.93 4623.37,545.93 v2(4656.93,579.49) 4657.44,580 v2(4680,580) ; v2@4251,2023 v2(4253,2023) 4275.93,2045.93 4623.37,2045.93 v2(4656.93,2079.49) 4657.44,2080 v2(4680,2080) ; v2@4253,528 ccw(c4253,540.07) 4261.54,531.54 ccw(c4270.07,523) v2@4258,523 ; v2@4253,2028 ccw(c4253,2040.07) 4261.54,2031.54 ccw(c4270.07,2023) v2@4258,2023 ; v2@4651.93,579.49 cw(c4639.86,579.49) 4648.39,570.95 cw(c4656.93,562.42) v2@4656.93,574.49 ; v2@4651.93,2079.49 cw(c4639.86,2079.49) 4648.39,2070.95 cw(c4656.93,2062.42) v2@4656.93,2074.49 ; v2@4660.46,575.95 cw(c4670.24,566.18) v2@4670.24,580 ; v2@4660.46,583.02 ccw(c4667.76,590.32) 4667.76,580 ; v2@4660.46,2075.95 cw(c4670.24,2066.18) v2@4670.24,2080 ; v2@4660.46,2083.02 ccw(c4667.76,2090.32) 4667.76,2080 ; 4667.56,579.28 cw(c4669.8,570.92) v2@4676.27,576.68 ; 4667.56,2079.28 cw(c4669.8,2070.92) v2@4676.27,2076.68 ; v2@4676.46,576.46 ccw(c4667.93,567.93) 4667.93,580 ccw(c4667.93,592.07) v2@4676.46,583.54 ; v2@4676.46,2076.46 ccw(c4667.93,2067.93) 4667.93,2080 ccw(c4667.93,2092.07) v2@4676.46,2083.54